# Altium PCB Calipso V3.0 REV0.0.PcbDoc (part 4 of 4)
Units mm, origin at the board's own origin, x right, y up, seen from the top; angles counter-clockwise.
Board outline 192.5 x 156.5 mm, 4 copper layers (Component Side, Ground Plane, Power Plane, Solder Side), stack 0.844 mm thick; 384 components, 292 nets, 1388 pads, 365 vias.
Unrouted connection lines stored in the file: 28.
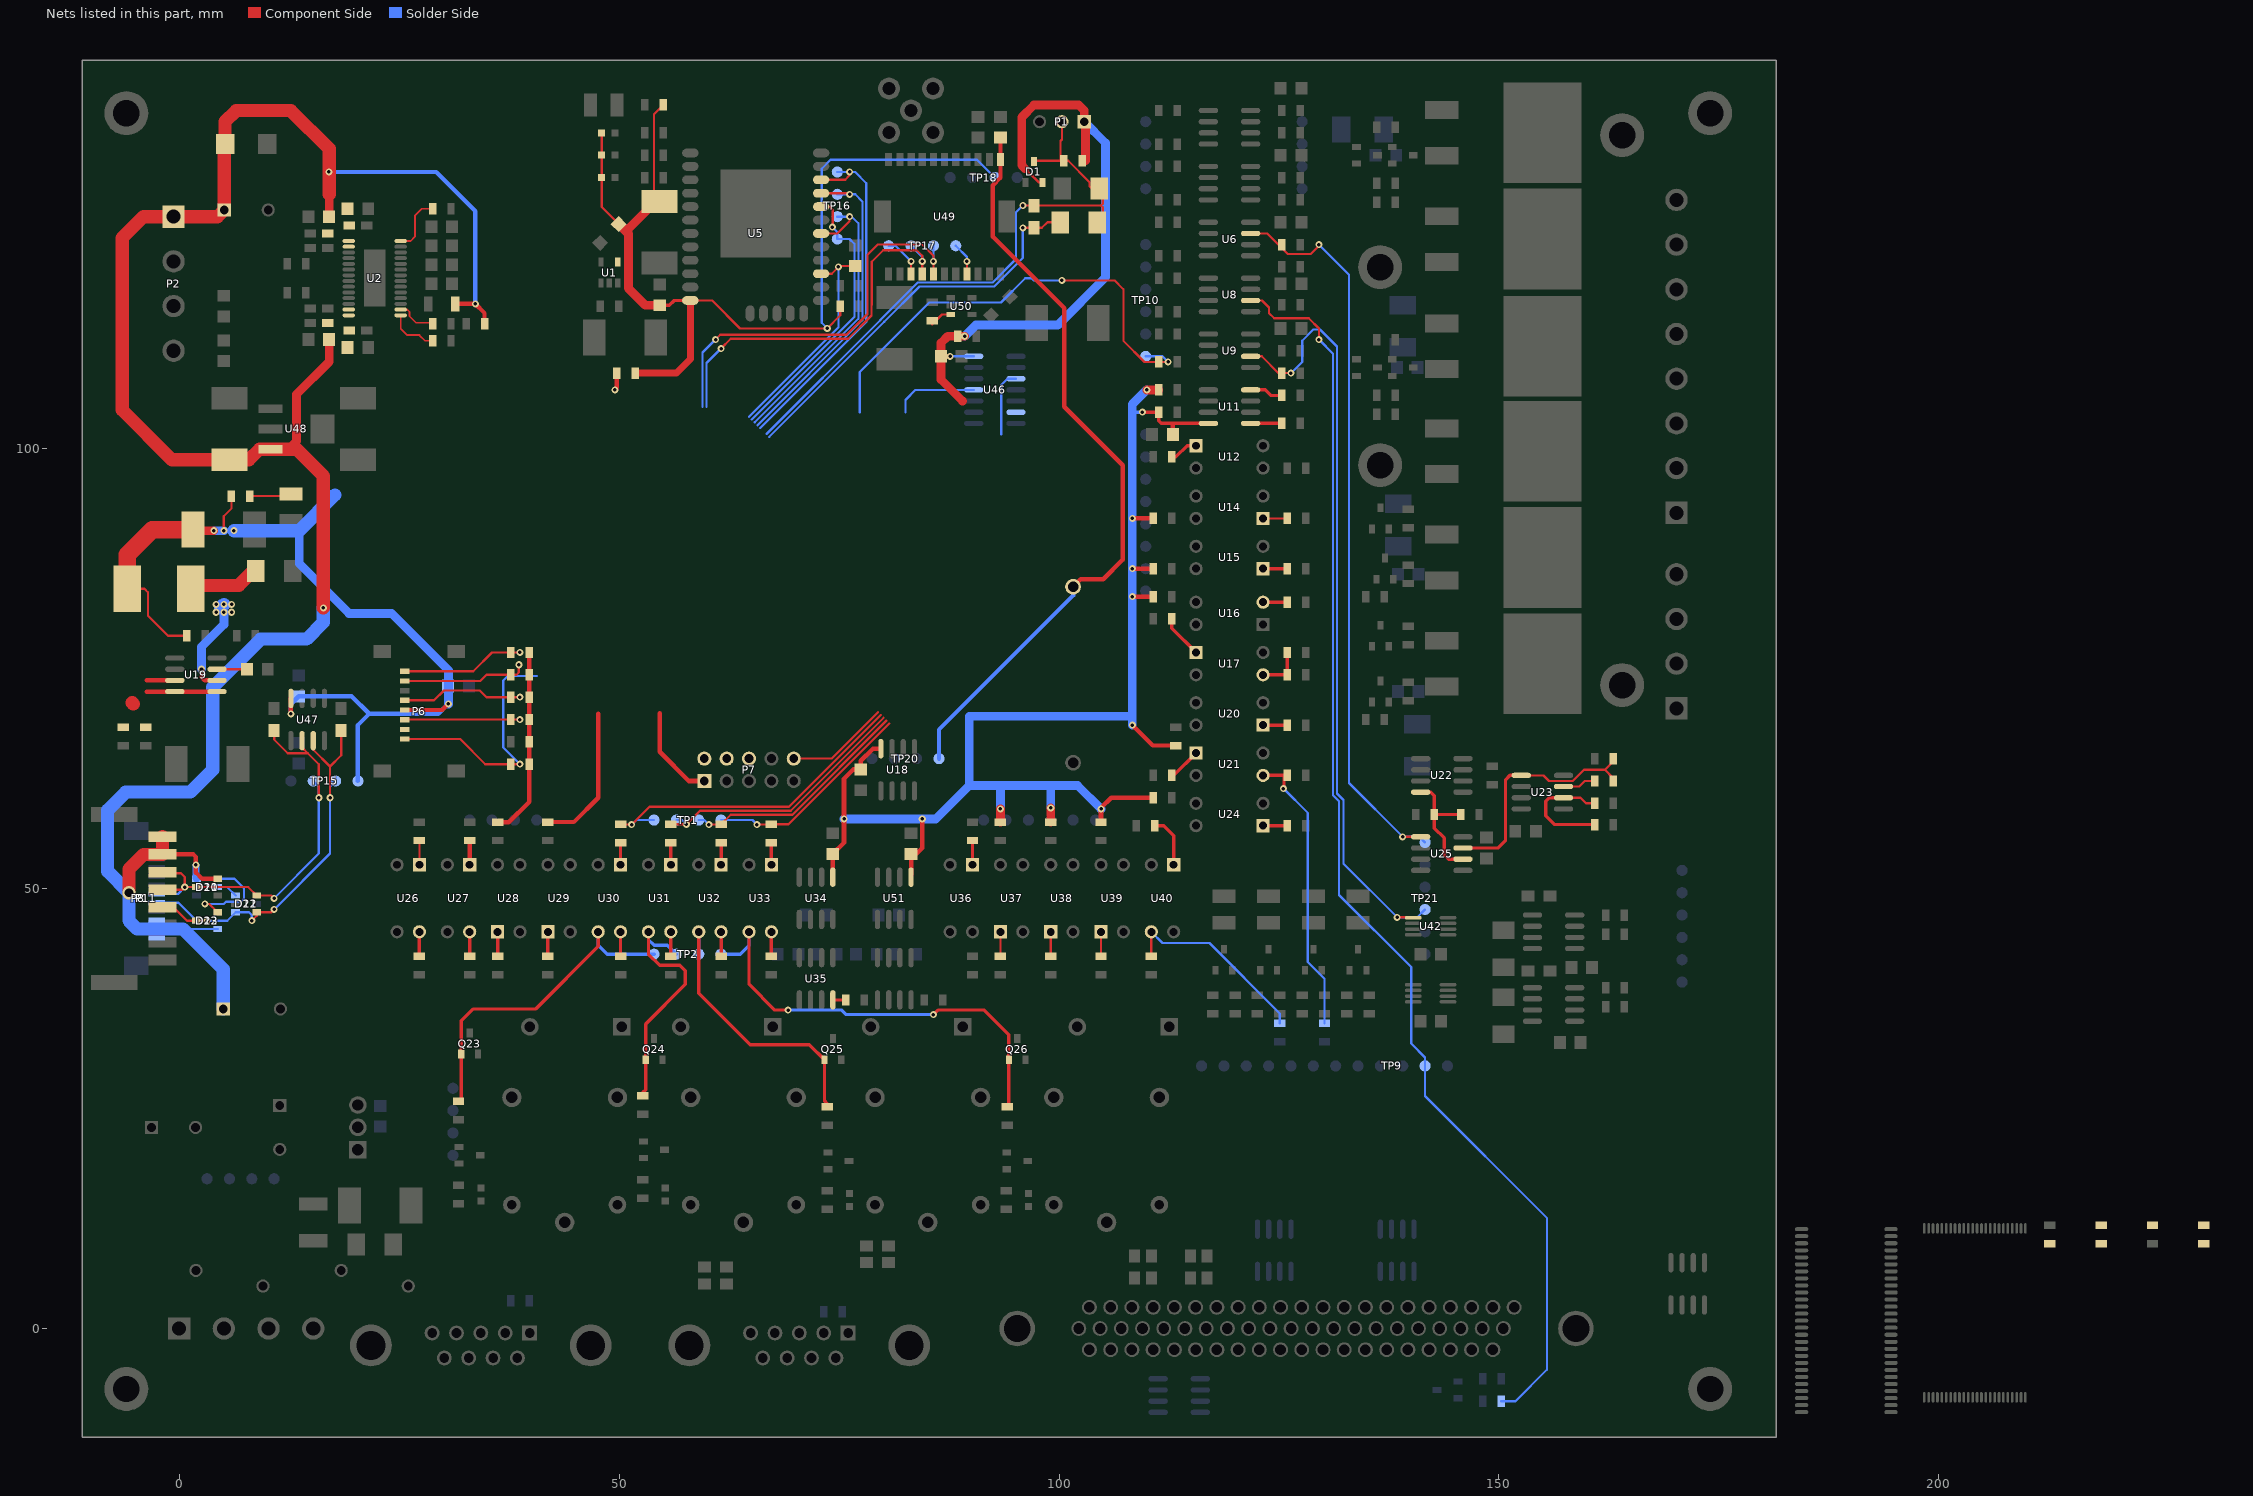
[diagram p6: the nets of this part, all layers, seen from the top]

## Via types
v1: diameter 0.8, hole 0.4, Component Side to Solder Side, tented both sides, 349 vias
v2: diameter 0.8, hole 0.4, Component Side to Solder Side, 12 vias
v3: diameter 1.5, hole 1, Component Side to Solder Side, 2 vias
v4: diameter 3, hole 2, Component Side to Solder Side, 2 vias

## Nets (pads, with @x,y where several pads share a name; then routed paths per layer and width w, separated by ;. In a path a pad name is that pad's centre, name@x,y a point inside that pad or via, vN(x,y) a via of type N, cw(c..) or ccw(c..) an arc to the next point about the centre after c; other vN are vias at no path point) (continued)
NetR33_2: R33.2 U11.4 | length 3.8
  Component Side w0.384: U11.4@121.78,106.68 123.444,106.68 124.079,106.045 R33.2@125.315,106.045
NetR37_1: R37.1 U11.1 | length 3.5
  Component Side w0.384: U11.1@121.78,102.87 R37.1@125.315,102.87
NetR38_2: R38.2 U12.1 | length 3.3
  Component Side w0.384: R38.2@112.81,99.06 113.284,99.06 114.554,100.33 U12.1@115.57,100.33
NetR41_1: "STM PWR 1.2" R41.1 | length 3.8
  Component Side w0.254: R41.1@8.41,94.615 11.835,94.615 12.065,94.845
NetR44_1: R44.1 U14.1 | length 2.4
  Component Side w0.254: U14.1@123.19,92.075 R44.1@125.575,92.075
NetR48_1: R48.1 U15.1 | length 2.4
  Component Side w0.384: U15.1@123.19,86.36 R48.1@125.575,86.36
NetR50_1: R50.1 U35.8 | length 1.5
  Component Side w0.381: U35.8@74.309,37.338 R50.1@75.785,37.338
NetR52_1: R52.1 U16.2 | length 2.8
  Component Side w0.384: U16.2@123.19,82.55 R52.1@125.95,82.55
NetR58_2: R58.2 U17.1 | length 5
  Component Side w0.384: R58.2@112.81,80.645 112.81,79.595 U17.1@115.57,76.835
NetR59_1: R59.1 R61.1 U17.3 | length 5.3
  Component Side w0.381: U17.3@123.19,74.295 R61.1@125.95,74.295 R59.1@125.95,76.835
NetR70_2: R70.2 R71.2 U19.1 U19.7 U19.8 | length 11.4
  Component Side w0.5: -3.683,72.39 -0.895,72.39 U19.1@4.705,72.39 ; -3.683,73.66 U19.7@-0.895,73.66
  Component Side w1.5: -5.334,71.12 -5.207,70.993
NetR73_1: R73.1 U20.1 | length 2.4
  Component Side w0.384: U20.1@123.19,68.58 R73.1@125.575,68.58
NetR75_2: R75.2 U21.1 | length 3.8
  Component Side w0.384: R75.2@112.81,62.865 113.03,62.865 U21.1@115.57,65.405
NetR76_2: R76.2 R82.1 U23.5 U25.7 | length 27.7
  Component Side w0.254: U23.5@152.54,62.865 155.067,62.865 155.702,62.23 155.71,62.238 158.4,62.238 159.662,63.5 162.052,63.5 ; R82.1@162.975,62.23 162.975,62.577 162.052,63.5 ; R76.2@162.975,64.77 162.975,64.423 162.052,63.5
  Component Side w0.384: U25.7@145.91,54.61 149.86,54.61 150.749,55.499 150.749,62.357 151.257,62.865 U23.5@152.54,62.865
NetR81_2: R81.2 R154.1 U21.3 | length 32.6
  Component Side w0.384: U21.3@123.19,62.865 125.575,62.865 125.575,61.369 v1(125.504,61.369)
  Solder Side w0.254: v1(125.504,61.369) 128.27,58.603 128.27,41.656 130.175,39.751 R154.1@130.175,34.705
NetR82_2: R82.2 U23.3 | length 3.8
  Component Side w0.254: U23.3@157.34,61.595 159.131,61.595 159.766,62.23 R82.2@160.875,62.23
NetR84_1: R84.1 R101.1 U23.2 | length 13.6
  Component Side w0.254: U23.2@157.34,60.325 159.258,60.325 159.893,59.69 R84.1@160.875,59.69
  Component Side w0.384: U23.2@157.34,60.325 155.702,60.325 155.321,59.944 155.321,58.293 156.337,57.277 R101.1@160.875,57.277
NetR87_2: R87.2 U26.1 | length 2.8
  Component Side w0.254: U26.1@27.305,52.705 R87.2@27.305,55.465
NetR88_2: R88.2 U27.1 | length 2.8
  Component Side w0.5: U27.1@33.021,52.705 R88.2@33.021,55.465
NetR91_2: R91.2 U30.1 | length 2.5
  Component Side w0.384: U30.1@50.165,52.705 R91.2@50.165,55.21
NetR92_2: R92.2 U31.1 | length 2.5
  Component Side w0.384: U31.1@55.88,52.705 R92.2@55.88,55.21
NetR93_2: R93.2 U32.1 | length 2.5
  Component Side w0.384: U32.1@61.595,52.705 R93.2@61.595,55.21
NetR94_2: R94.2 U33.1 | length 2.5
  Component Side w0.384: U33.1@67.31,52.705 R94.2@67.31,55.21
NetR97_2: R97.2 U36.1 | length 2.8
  Component Side w0.384: U36.1@90.17,52.705 R97.2@90.17,55.465
NetR102_2: R102.2 U40.1 | length 5.9
  Component Side w0.384: R102.2@110.905,57.15 111.887,57.15 113.03,56.007 U40.1@113.03,52.705
NetR103_1: R103.1 U24.1 | length 2.4
  Component Side w0.381: U24.1@123.19,57.15 R103.1@125.575,57.15
NetR106_1: R106.1 U26.4 | length 2.8
  Component Side w0.384: R106.1@27.305,42.325 U26.4@27.305,45.085
NetR107_1: R107.1 U27.4 | length 2.4
  Component Side w0.384: R107.1@33.021,42.7 U27.4@33.021,45.085
NetR108_2: R108.2 U28.1 | length 2.8
  Component Side w0.384: R108.2@36.195,42.325 U28.1@36.195,45.085
NetR109_2: R109.2 U29.1 | length 2.8
  Component Side w0.384: R109.2@41.911,42.325 U29.1@41.911,45.085
NetR110_1: R110.1 U30.4 | length 2.4
  Component Side w0.384: R110.1@50.165,42.7 U30.4@50.165,45.085
NetR111_1: R111.1 U31.4 | length 2.4
  Component Side w0.384: R111.1@55.88,42.7 U31.4@55.88,45.085
NetR112_1: R112.1 U32.4 | length 2.4
  Component Side w0.384: R112.1@61.595,42.7 U32.4@61.595,45.085
NetR113_1: R113.1 U33.4 | length 2.4
  Component Side w0.384: R113.1@67.31,42.7 U33.4@67.31,45.085
NetR117_1: R117.1 U37.1 | length 2.4
  Component Side w0.254: R117.1@93.345,42.7 U37.1@93.345,45.085
NetR118_1: R118.1 U38.1 | length 2.4
  Component Side w0.254: R118.1@99.06,42.7 U38.1@99.06,45.085
NetR119_1: R119.1 U39.1 | length 2.4
  Component Side w0.254: R119.1@104.775,42.7 U39.1@104.775,45.085
NetR120_2: R120.2 R155.1 U40.3 | length 21.9
  Component Side w0.254: R120.2@110.49,42.7 U40.3@110.49,45.085
  Solder Side w0.254: U40.3@110.49,45.085 111.76,43.815 117.094,43.815 125.095,35.814 R155.1@125.095,34.705
NetR141_1: R141.1 U50.3 | length 2.6
  Component Side w0.254: R141.1@85.598,114.145 86.708,115.255 U50.3@87.7,115.255
NetR143_2: R143.2 U2.2 | length 4.6
  Component Side w0.2: U2.2@25.175,115.805 25.927,115.805 26.175,115.557 26.175,115.049 26.924,114.3 28.668,114.3 R143.2@28.795,114.173
NetR144_2: R144.2 U2.1 | length 5.7
  Component Side w0.2: U2.1@25.175,115.155 25.175,113.636 25.908,112.903 27.305,112.903 27.94,112.268 R144.2@28.795,112.268
NetR146_2: R146.2 U2.14 | length 6.5
  Component Side w0.2: U2.14@25.175,123.605 26.323,123.605 26.797,124.079 26.797,126.492 27.559,127.254 R146.2@28.795,127.254
NetR157_1: R157.1 TP9.5 U8.6 | length 145.2
  Component Side w0.254: U8.6@121.78,116.84 123.063,116.84 123.863,116.04 123.863,115.395 124.45,114.808 128.397,114.808 129.54,113.665 v1(129.54,112.395)
  Solder Side w0.254: v1(129.54,112.395) 131.138,110.797 131.138,60.611 131.826,59.923 131.826,49.276 140.027,41.075 140.027,32.385 141.605,30.807 TP9.5@141.605,29.845 141.605,26.416 155.448,12.573 155.448,-4.699 151.892,-8.255 R157.1@150.275,-8.255
NetTP17_1: TP17.1 U49.8 | length 3.7
  Component Side w0.254: U49.8@89.535,119.865 v1(89.535,121.285)
  Solder Side w0.254: TP17.1@88.265,123.063 89.535,121.793 v1(89.535,121.285)
NetTP17_4: TP17.4 U49.3 | length 4.7
  Component Side w0.254: U49.3@83.185,119.865 v1(83.185,121.285)
  Solder Side w0.254: TP17.4@80.645,123.063 81.407,123.063 v1(83.185,121.285)
NRESET: P7.10 | length 11.8
  Component Side w0.254: P7.10@69.85,64.77 74.14,64.77 79.424,70.055
PELTIER: U46.11 | length 9.6
  Solder Side w0.254: 82.55,104.14 82.55,105.537 83.693,106.68 U46.11@90.31,106.68
PVCC: C3.1 C34.1 C64.1 C77.2 C78.2 C79.2 C80.2 C81.2 C82.2 C83.2 C84.2 D2.2 D10.2 D12.2 D21.2 D23.2 P2.1 P8.1 P8.2 P11.1 P11.2 P11.3 R145.1 R147.1 U2.15 U2.16 U2.27 U2.28 U48.3 | length 265.2
  Component Side w0.254: v1(2.93,48.26) 3.42,48.26 D12.2@4.375,47.305
  Component Side w0.5: P8.2@-1.905,53.88 1.619,53.88 1.905,53.594 v1(1.905,52.705) 1.905,51.816 2.606,51.115 D10.2@4.375,51.115 ; R145.1@31.395,116.459 v1(33.655,116.459) 34.705,115.409 R147.1@34.705,114.173
  Component Side w1: D2.2@5.207,134.658 D2.2@5.245,134.62 ; U48.3@10.385,99.935 12.432,99.935 13.335,100.838 13.335,106.172 17.05,109.887 C79.2@17.05,112.395 ; C77.2@17.05,126.365 17.05,128.905
  Component Side w1.5: v3(-5.715,49.53) -5.715,52.197 -4.032,53.88 P8.2@-1.905,53.88 P8.1@-1.905,55.88 ; v1(16.383,81.915) 16.383,96.901 13.349,99.935 U48.3@10.385,99.935 9.13,99.935 7.93,98.735 C64.1@5.715,98.735 -0.818,98.735 -6.477,104.394 -6.477,123.952 -4.064,126.365 P2.1@-0.635,126.365 4.358,126.365 C3.1@5.12,127.127 5.12,134.571 5.207,134.658 5.207,137.16 6.477,138.43 12.7,138.43 17.05,134.08 17.05,128.905
  Solder Side w0.254: 0.452,45.395 0.462,45.405 D23.2@4.375,45.405 ; D21.2@1.975,51.115 6.289,51.115 7.366,50.038 7.366,48.844 7.036,48.514 5.334,48.514 5.08,48.26 v1(2.93,48.26)
  Solder Side w0.5: v1(17.018,131.445) 29.21,131.445 33.655,127 v1(33.655,116.459)
  Solder Side w0.8: v1(1.905,52.705) 1.905,51.185 D21.2@1.975,51.115
  Solder Side w1.5: C34.1@5.005,36.322 5.005,40.842 0.452,45.395 P11.2@-2.54,45.395 -4.755,45.395 -5.715,46.355 v3(-5.715,49.53) -8.128,51.943 -8.128,58.928 -6.096,60.96 1.27,60.96 3.81,63.5 3.81,72.898 9.271,78.359 14.478,78.359 16.383,80.264 v1(16.383,81.915)
RC: C26.2 U19.3 | length 3
  Component Side w0.254: U19.3@4.705,74.93 C26.2@7.715,74.93
REF2.5V: R85.2 R86.1 U22.8 U25.6 | length 13.8
  Component Side w0.384: U22.8@141.11,60.96 142.24,60.96 142.655,60.545 R85.2@142.655,58.42 ; R86.1@145.26,58.42 R85.2@142.655,58.42 ; U25.6@145.91,53.34 144.272,53.34 143.764,53.848 143.764,55.753 142.655,56.862 R85.2@142.655,58.42
RELAY1: R91.1 TP1.1 | length 37.5
  Component Side w0.254: R91.1@50.166,57.311 50.2,57.277 v1(51.436,57.277) 53.468,59.309 69.321,59.309 79.745,69.734
  Solder Side w0.254: v1(51.436,57.277) 51.944,57.785 TP1.1@53.976,57.785
RELAY2: R92.1 TP1.2 | length 30.5
  Component Side w0.254: R92.1@55.881,57.311 v1(57.659,57.311) 59.203,58.855 69.509,58.855 80.066,69.413
  Solder Side w0.254: TP1.2@56.516,57.785 57.185,57.785 v1(57.659,57.311)
RELAY3: R93.1 TP1.3 | length 26.4
  Component Side w0.254: v1(60.199,57.277) 61.562,57.277 R93.1@61.596,57.311 62.686,58.401 69.697,58.401 80.387,69.092
  Solder Side w0.254: TP1.3@59.056,57.785 59.691,57.785 v1(60.199,57.277)
RELAY4: R94.1 TP1.4 | length 24.1
  Component Side w0.254: v1(65.66,57.277) 67.275,57.277 R94.1@67.31,57.312 ; R94.1@67.311,57.311 69.249,57.311 80.709,68.77
  Solder Side w0.254: TP1.4@61.596,57.785 65.152,57.785 v1(65.66,57.277)
RELAY_O1: Q23.1 R132.2 TP2.1 U30.3 | length 38.3
  Component Side w0.384: R132.2@31.75,25.815 32.07,26.135 Q23.1@32.07,31.185 32.07,34.991 33.39,36.311 40.502,36.311 47.625,43.434 U30.3@47.625,45.085
  Solder Side w0.384: U30.3@47.625,45.085 47.625,43.562 48.642,42.545 TP2.1@53.976,42.545
RELAY_O2: Q24.1 R131.2 TP2.2 U31.3 | length 28.1
  Component Side w0.384: R131.2@52.705,26.825 53.025,27.145 Q24.1@53.025,30.55 53.025,34.61 57.531,39.116 57.531,40.64 56.896,41.275 54.61,41.275 53.34,42.545 U31.3@53.34,45.085
  Solder Side w0.384: U31.3@53.34,45.085 53.34,44.208 53.976,43.572 55.489,43.572 TP2.2@56.516,42.545
RELAY_O3: Q25.1 R133.2 TP2.3 U32.3 | length 32.1
  Component Side w0.384: U32.3@59.055,45.085 59.055,38.1 64.897,32.258 71.637,32.258 Q25.1@73.345,30.55 73.345,25.87 R133.2@73.66,25.555
  Solder Side w0.384: TP2.3@59.056,42.545 U32.3@59.055,45.085
RELAY_O4: Q26.1 R134.2 TP2.4 U33.3 | length 51.7
  Component Side w0.384: U33.3@64.77,45.085 64.77,39.117 67.692,36.195 v1(69.215,36.195) ; v1(85.73,35.682) 86.243,36.195 91.506,36.195 94.3,33.401 Q26.1@94.3,30.55 94.3,25.373 R134.2@94.107,25.18
  Solder Side w0.384: TP2.4@61.596,42.545 63.755,42.545 64.77,43.56 U33.3@64.77,45.085 ; v1(69.215,36.195) 75.311,36.195 75.824,35.682 v1(85.73,35.682)
RS232_DWIN_RX: D10.3 D11.2 D21.3 D22.2 J5.0 P8.3 P8.4 P11.6 TP15.2 U47.2 | length 55.4
  Component Side w0.254: P8.4@-1.905,49.88 0.35,49.88 v1(0.635,50.165) ; P8.3@-1.905,51.88 -1.768,51.743 0.2,51.743 0.635,51.308 v1(0.635,50.165) ; v1(10.795,48.895) 10.48,49.21 D11.2@8.82,49.21 7.865,50.165 D10.3@1.975,50.165 v1(0.635,50.165) ; J5.0@10.795,67.965 10.795,66.929 12.336,65.388 14.605,65.388 ; U47.2@13.97,66.815 13.97,66.023 14.605,65.388 ; v1(15.875,60.325) 15.875,64.118 14.605,65.388
  Solder Side w0.254: P11.6@-2.54,49.395 -0.135,49.395 v1(0.635,50.165) D21.3@4.375,50.165 5.465,50.165 D22.2@6.42,49.21 ; v1(10.795,48.895) 15.875,53.975 v1(15.875,60.325) 15.875,61.595 TP15.2@15.24,62.23
RS232_DWIN_TX: D11.1 D12.3 D22.1 D23.3 J4.0 P8.5 P11.5 TP15.3 U47.3 | length 51.2
  Component Side w0.254: P8.5@-1.905,47.88 -0.636,47.88 0.889,46.355 D12.3@1.975,46.355 v1(3.175,46.355) ; v1(8.255,46.355) 8.82,46.92 D11.1@8.82,47.31 10.48,47.31 v1(10.795,47.625) ; U47.3@15.24,66.815 15.24,65.786 17.145,63.881 ; v1(17.145,60.325) 17.145,63.881 ; J4.0@18.415,67.965 18.415,65.151 17.145,63.881
  Solder Side w0.254: P11.5@-2.54,48.395 -0.065,48.395 D23.3@1.975,46.355 v1(3.175,46.355) 5.465,46.355 D22.1@6.42,47.31 7.935,47.31 8.255,46.99 v1(8.255,46.355) ; v1(10.795,47.625) 17.145,53.975 v1(17.145,60.325) 17.145,61.595 TP15.3@17.78,62.23
SDIO_CK: P6.4 R67.1 | length 13.9
  Component Side w0.254: P6.4@25.626,71.392 28.974,71.392 30.099,72.517 34.163,72.517 34.925,71.755 R67.1@37.685,71.755 v1(38.735,71.755)
SDIO_CMD: P6.6 R68.1 | length 13.1
  Component Side w0.254: P6.6@25.626,69.192 25.649,69.215 R68.1@37.685,69.215 v1(38.735,69.215)
SDIO_D0: P6.2 R60.1 | length 14.3
  Component Side w0.254: P6.2@25.626,73.592 34.222,73.592 34.925,74.295 R60.1@37.685,74.295 38.354,74.295 38.608,74.549 v1(38.608,75.438)
SDIO_D1: P6.1 R57.1 | length 14
  Component Side w0.254: P6.1@25.626,74.692 33.417,74.692 35.56,76.835 R57.1@37.685,76.835 v1(38.735,76.835)
SDIO_D2: P6.8 R78.1 | length 28.6
  Component Side w0.254: P6.8@25.626,66.992 31.941,66.992 34.798,64.135 37.31,64.135 v1(38.735,64.135)
  Solder Side w0.254: v1(38.735,64.135) 36.83,66.04 36.83,73.66 37.338,74.168 40.64,74.168
SDIO_D3: C12.2 C13.2 C17.2 C21.1 C22.1 C27.2 C60.1 C72.2 D1.2 GPS1.2 L5.1 P1.1 P6.5 P6.7 P7.1 R11.2 R32.1 R35.2 R41.2 R43.2 R47.2 R54.2 R55.2 R57.2 R60.2 R63.1 R65.1 R66.1 R67.2 R68.2 R72.2 R74.2 R78.2 R83.2 R89.2 R90.2 R98.2 R99.2 R100.2 TP15.4 U11.8 U18.8 U34.1 U46.14 U47.8 U51.1 WIFI1.2 | length 396.1
  Component Side w0.254: L5.1@-5.899,84.074 -3.937,84.074 -3.556,83.693 -3.556,81.026 -1.27,78.74 R55.2@0.48,78.74 ; v1(5.08,90.678) 5.08,92.329 5.935,93.184 R41.2@5.935,94.615 ; U51.1@83.185,51.295 U51.1@83.185,51.562 ; 96.137,131.824 97.715,130.245 D1.2@98.105,130.245
  Component Side w0.384: 47.613,67.425 47.625,67.437 ; v1(109.474,104.14) R35.2@111.345,104.14 111.345,103.158 111.633,102.87 U11.8@116.98,102.87
  Component Side w0.5: v1(12.7,69.85) U47.8@12.7,71.615 ; P6.5@25.626,70.292 29.906,70.292 v1(30.607,70.993) ; R89.2@36.195,57.565 36.229,57.531 37.465,57.531 39.785,59.851 R78.2@39.785,64.135 R74.2@39.785,66.675 R57.2@39.785,76.835 ; R90.2@41.911,57.565 44.865,57.565 47.625,60.325 ; v1(49.53,106.68) 49.75,106.9 WIFI1.2@49.75,108.585 ; U34.1@74.296,51.295 C27.2@74.295,53.943 ; U51.1@83.185,51.562 C72.2@83.185,53.943 83.788,53.943 84.455,54.61 v1(84.455,57.912) ; C17.2@86.582,110.49 v1(87.63,110.49) ; v1(108.331,68.58) 110.651,66.26 R72.2@113.284,66.26 ; v1(108.331,83.185) R54.2@110.335,83.185
  Component Side w0.524: 47.625,60.325 47.625,67.437 47.625,69.85 ; 54.61,69.943 54.61,65.532 57.912,62.23 P7.1@59.69,62.23 ; C27.2@74.295,53.943 75.565,55.213 v1(75.565,57.912) 75.565,62.484 76.613,63.532 C12.2@77.47,63.532 77.47,64.516 78.854,65.9 U18.8@79.756,65.9 ; R100.2@104.775,57.94 v1(104.775,59.055) 104.775,59.182 105.918,60.325 R83.2@110.335,60.325 ; v1(108.331,86.36) R47.2@110.335,86.36 ; v1(108.331,92.075) R43.2@110.335,92.075 ; C21.1@112.935,101.6 112.935,102.838
  Component Side w1: C22.1@1.707,90.678 v1(3.937,90.678) ; C17.2@86.582,110.49 86.582,107.855 89.027,105.41 ; C17.2@86.582,110.776 86.582,112.01 87.348,112.776 v1(89.281,112.776) ; R98.2@93.345,57.565 v1(93.345,59.055) ; 96.137,131.824 95.758,132.202 95.758,137.668 97.155,139.065 102.235,139.065 102.87,138.43 P1.1@102.87,137.16 103.025,137.005 R11.2@103.025,132.715 ; R99.2@99.06,57.565 v1(99.06,59.182) ; v1(109.982,106.68) R32.1@111.345,106.68
  Component Side w2: L5.1@-5.899,84.074 -5.899,87.954 -3.048,90.805 C22.1@1.58,90.805
  Solder Side w0.254: v1(87.63,110.49) U46.14@90.31,110.49
  Solder Side w0.384: 108.331,104.013 108.331,104.14 v1(109.474,104.14)
  Solder Side w0.5: TP15.4@20.32,62.23 20.32,68.58 21.59,69.85
  Solder Side w0.524: v1(12.7,69.85) 12.7,70.961 C13.2@13.589,71.85 19.59,71.85 21.59,69.85 29.464,69.85 v1(30.607,70.993)
  Solder Side w1: v1(3.937,90.678) v1(5.08,90.678) ; 13.642,90.678 13.642,86.942 19.304,81.28 24.13,81.28 30.607,74.803 v1(30.607,70.993) ; v1(75.565,57.912) v1(84.455,57.912) 85.979,57.912 89.789,61.722 ; v1(89.281,112.776) 90.551,114.046 99.854,114.046 105.283,119.475 105.283,134.747 P1.1@102.87,137.16 ; v1(93.345,59.055) 93.345,61.595 93.472,61.722 ; v1(99.06,59.182) 99.06,61.468 99.314,61.722 ; v1(104.775,59.055) 102.108,61.722 99.314,61.722 ; v1(108.331,68.58) 108.331,69.596 ; 108.331,104.013 v1(108.331,92.075) v1(108.331,86.36) v1(108.331,83.185) 108.331,69.596 ; 108.331,104.14 108.331,105.029 v1(109.982,106.68) ; 89.789,61.722 89.789,69.596 108.331,69.596 ; 89.789,61.722 93.472,61.722 ; 93.472,61.722 99.314,61.722
  Solder Side w1.5: v1(6.223,90.678) 13.642,90.678 17.706,94.742
SPI2_MISO: U46.6
SPI2_MOSI: U46.3 | length 7.6
  Solder Side w0.254: 93.429,101.6 93.429,107.243 94.135,107.95 U46.3@95.11,107.95
SPI_MOSI: R20.1 TP21.1 U6.7 U25.1 | length 85.4
  Component Side w0.254: U6.7@121.78,124.46 123.67,124.46 126.01,122.12 128.607,122.12 129.54,123.053 v1(129.54,123.19) ; v1(139.065,55.88) U25.1@141.11,55.88
  Solder Side w0.254: v1(129.54,123.19) 132.954,119.776 132.954,61.991 v1(139.065,55.88) 140.97,55.88 TP21.1@141.605,55.245
SW: D9.2 L5.2 U19.2 | length 18.7
  Component Side w0.5: v1(2.54,74.93) 2.54,74.041 2.921,73.66 U19.2@4.305,73.66
  Component Side w1.5: L5.2@1.27,84.455 6.769,84.455 D9.2@8.42,86.106
  Solder Side w1: v1(2.54,74.93) 2.54,77.47 5.08,80.01 v1(5.08,81.407)
  Solder Side w1.5: 4.699,81.915 v1(5.08,82.296)
  other v1: 4.191,81.407 5.969,81.407 4.191,82.296 5.969,82.296
SWCLK: P7.4 R64.2
SWDIO: P7.2 R63.2
SWO: P7.6 R65.2
USART2_RX: TP17.3 U49.4 | length 43
  Component Side w0.254: v1(61.595,111.379) 62.7,112.484 76.042,112.484 78.686,115.128 78.686,116.312 78.706,116.332 78.706,121.251 80.01,122.555 83.82,122.555 84.455,121.92 v1(84.455,121.285) U49.4@84.455,119.865
  Solder Side w0.254: 59.944,104.775 59.944,109.728 v1(61.595,111.379) ; TP17.3@83.185,123.063 84.455,121.793 v1(84.455,121.285)
USART2_TX: TP17.2 U49.5 | length 45.8
  Component Side w0.254: v1(60.96,112.395) 61.503,112.938 75.854,112.938 78.232,115.316 78.232,122.047 79.375,123.19 84.455,123.19 85.725,121.92 v1(85.725,121.285) U49.5@85.725,119.865
  Solder Side w0.254: 59.49,104.775 59.49,110.925 v1(60.96,112.395) ; v1(85.725,121.285) TP17.2@85.725,123.063
USART3_CTS: TP16.4 U5.10 | length 40.5
  Component Side w0.254: U5.10@72.967,130.556 75.692,130.556 76.2,131.064 v1(76.2,131.445)
  Solder Side w0.254: 66.054,102.348 78.105,114.399 78.105,130.175 76.835,131.445 v1(76.2,131.445) TP16.4@74.803,131.445
USART3_RTS: TP16.3 U5.9 | length 36.8
  Component Side w0.254: U5.9@72.967,129.032 76.073,129.032 v1(76.2,128.905)
  Solder Side w0.254: 65.733,102.669 77.651,114.587 77.651,128.089 76.835,128.905 v1(76.2,128.905) TP16.3@74.803,128.905
USART3_RX: TP16.2 U5.6 | length 34.5
  Component Side w0.254: U5.6@72.967,124.46 74.803,124.46 76.2,125.857 v1(76.2,126.365)
  Solder Side w0.254: 65.412,102.99 77.197,114.775 77.197,125.622 76.454,126.365 v1(76.2,126.365) TP16.2@74.803,126.365
USART3_TX: TP16.1 U5.8 | length 32
  Component Side w0.254: U5.8@72.967,127.508 73.914,127.508 74.295,127.127 74.295,125.222 74.269,125.222 v1(74.234,125.187)
  Solder Side w0.254: 65.091,103.311 76.743,114.963 76.743,123.282 76.2,123.825 TP16.1@74.803,123.825 74.803,124.618 v1(74.234,125.187)
USART6_RX: D1.3 D4.1 D6.1 J18.1 P1.2 R11.1 | length 69.8
  Component Side w0.254: v1(95.885,127.635) 97.135,127.635 J18.1@97.155,127.615 97.175,127.635 104.775,127.635 ; D1.3@97.155,132.645 97.225,132.715 R11.1@100.175,132.715 ; P1.2@100.33,137.16 100.33,135.128 100.175,134.973 R11.1@100.175,132.715 ; D6.1@104.97,125.73 104.97,127.44 104.775,127.635 ; R11.1@100.175,132.715 101.046,132.715 103.451,130.31 103.451,129.848 103.759,129.54 104.97,129.54 104.97,127.83 104.775,127.635
  Solder Side w0.254: 66.742,101.66 79.686,114.604 79.686,114.625 83.952,118.891 92.454,118.891 95.123,121.56 95.123,126.873 v1(95.885,127.635)
USART6_TX: D6.2 J18.0 | length 45.8
  Component Side w0.254: v1(95.885,125.095) 95.905,125.115 J18.0@97.155,125.115 97.175,125.095 98.044,125.095 98.679,125.73 D6.2@100.135,125.73 D6.2@100.77,125.73
  Solder Side w0.254: 67.063,101.339 80.14,114.416 80.14,114.437 84.14,118.437 92.642,118.437 95.885,121.68 v1(95.885,125.095)
VBAT: C69.2 P12.2 TP20.4 U49.12 | length 87.2
  Component Side w0.5: C69.2@93.345,135.35 U49.12@93.345,132.865 93.345,130.81 92.456,129.921 92.456,124.104 100.584,115.976 100.584,104.775 107.257,98.102 107.257,87.391 105.014,85.148 102.453,85.148 P12.2@101.6,84.295
  Solder Side w0.5: TP20.4@86.36,64.77 86.36,68.072 101.6,83.312 P12.2@101.6,84.295
VM_CSN: R30.1 TP10.6 | length 53.8
  Component Side w0.254: v1(100.33,119.126) 106.299,119.126 107.315,118.11 107.315,112.268 109.728,109.855 R30.1@110.97,109.855 ; R30.1@111.345,109.855 v1(112.395,109.855)
  Solder Side w0.254: 77.343,104.14 77.343,108.708 85.256,116.621 93.394,116.621 96.153,119.38 96.854,119.38 97.108,119.126 v1(100.33,119.126) ; TP10.6@109.855,110.49 111.76,110.49 v1(112.395,109.855)
VMON_NCS: R31.1 TP21.4 U9.6 U42.5 | length 88
  Component Side w0.254: U9.6@121.78,110.49 123.035,110.49 124.94,108.585 v1(126.365,108.585) ; v1(138.43,46.736) 140.224,46.736 U42.5@140.265,46.695
  Solder Side w0.254: v1(126.365,108.585) 127.635,109.855 127.635,112.268 128.905,113.538 129.667,113.538 131.592,111.613 131.592,60.799 132.334,60.057 132.334,52.832 v1(138.43,46.736) 140.716,46.736 TP21.4@141.605,47.625
WIFI3V3: C5.1 C6.1 L1.1 LINK1.2 PWR1.2 R9.1 R28.2 RUN1.2 TP18.3 U1.4 U5.24 WIFI1.1 | length 117.1
  Component Side w0.254: RUN1.2@48.018,135.89 PWR1.2@48.018,133.35 LINK1.2@48.018,130.81 48.018,127.458 L1.1@49.956,125.521 ; C5.1@53.975,128.905 53.975,138.015 R9.1@55.025,139.065 ; U5.24@58.155,116.84 60.579,116.84 63.754,113.665 v1(73.66,113.665) 75.15,115.155 75.15,115.985 74.93,116.205 R28.2@75.15,116.205
  Component Side w0.384: C6.1@54.61,116.3 55.721,116.3 56.261,116.84 U5.24@58.097,116.84 U5.24@58.155,116.84
  Component Side w0.8: WIFI1.1@51.85,108.585 56.515,108.585 58.132,110.202 58.132,116.817 U5.24@58.155,116.84
  Component Side w1: C6.1@54.61,116.3 52.991,116.3 51.054,118.237 51.054,124.422 L1.1@49.956,125.521 50.511,124.965 51.054,124.965 54.176,128.087 C5.1@54.61,128.087
  Solder Side w0.254: v1(73.66,113.665) 73.025,114.3 73.025,131.826 74.041,132.842 90.678,132.842 TP18.3@92.71,130.81
WIFI_RST: C16.1 U5.3 | length 25.4
  Component Side w0.254: U5.3@72.967,119.888 74.168,119.888 75.025,120.745 C16.1@76.835,120.745
  Solder Side w0.254: 64.77,103.632 74.93,113.792 v1(74.93,120.65)
pads on no net: J8.1 J8.6 J8.8 J9.5 J9.6 J9.8 P4.63 P4.64 P6.0 P7.7 P11.4 P11.7 P11.11 P11.12 R74.1 TP9.6 TP18.4 U5.1 U5.4 U5.7 U5.11 U5.12 U5.13 U5.16 U5.17 U5.18 U5.19 U5.20 U5.21 U5.22 U5.26 U5.27 U5.28 U5.29 U5.30 U7.5 U7.8 U22.4 U22.5 U25.4 U35.5 U41.1 U41.5 U41.8 U44.1 U44.5 U44.8 U49.1 U49.2 U49.7 U49.9 U49.10 U49.11 U49.14 U49.15 U49.16 U49.19 U49.23 U49.24 U52.5 U54.5 U54.8 U55.1 U55.2 U55.3 U55.4 U55.5 U55.6 U55.7 U55.8 U55.9 U55.10 U55.11 U55.12 U55.13 U55.14 U55.15 U55.16 U55.17 U55.18 U55.19 U55.20 U55.21 U55.22 U55.23 U55.24 U55.25 U55.26 U55.27 U55.28 U55.29 U55.30 U55.31 U55.32 U55.33 U55.34 U55.35 U55.36 U55.37 U55.38 U55.39 U55.40 U55.41 U55.42 U55.43 U55.44 U55.45 U55.46 U55.47 U55.48 U56.1 U56.2 U56.3 U56.4 U56.5 U56.6 U56.7 U56.8 U56.9 U56.10 U56.11 U56.12 U56.13 U56.14 U56.15 U56.16 U56.17 U56.18 U56.19 U56.20 U56.21 U56.22 U56.23 U56.24 U56.25 U56.26 U56.27 U56.28 U56.29 U56.30 U56.31 U56.32 U56.33 U56.34 U56.35 U56.36 U56.37 U56.38 U56.39 U56.40 U56.41 U56.42 U56.43 U56.44 U56.45 U56.46 U56.47 U56.48 U56.49 U56.50 U56.51 U56.52 U56.53 U56.54
copper on no net: | length 81.3
  Component Side w0.254: 25.626,68.092 32.941,68.092 34.29,66.743 37.242,66.743 37.31,66.675 v1(38.735,66.675) ; 43.18,65.659 43.209,65.63 44,65.63 44,64.839 44.196,64.643 44.863,64.643 45.066,64.44 45.066,64.281 45.65,63.697 46.289,63.697 ; 44.389,63.697 45.085,63.001 45.085,62.01 ; 45.339,66.097 46.355,67.113 46.355,68.338 ; 48.834,63.697 50.165,62.366 50.165,62.01 ; 48.895,68.338 48.895,66.986 49.784,66.097 ; 100.965,89.635 102.77,89.635 103.505,88.9 104.68,88.9 104.775,88.995 ; 100.965,94.515 102.24,95.79 104.775,95.79 ; 104.775,91.345 104.775,93.44 ; 137.475,77.54 135.373,75.438 135.373,73.292 137.475,71.19 139.475,71.19 139.7,70.965 ; 137.475,90.875 136.144,89.544 136.144,86.999 137.983,85.16 138.84,85.16 139.7,84.3
  Component Side w0.5: 89.284,66.155 89.284,67.933
  Component Side w0.8: v1(43.18,62.23) 43.18,65.659 43.18,68.58
  Solder Side w0.254: v1(38.735,66.675) 37.465,67.945 37.465,72.39 38.104,73.029 40.64,73.029
  Solder Side w0.8: v1(37.465,62.23) v1(43.18,62.23)

## Polygon pours and split planes (outlines as drawn)
no net on Top Overlay "Top Overlay-No Net" (solid): 24.13,95.25 35.043,95.25 32.485,99.681 31.492,101.398 29.587,104.703
no net on Top Overlay "Bottom Overlay-No Net" (solid): 174.746,10.846 174.78,10.887 174.806,10.935 174.823,10.988 174.828,11.044 174.828,11.466 174.822,11.522 174.805,11.575 174.779,11.623 174.744,11.664 174.702,11.699 174.654,11.725 174.602,11.742 174.547,11.748 174.125,11.748 174.069,11.742 174.016,11.725 173.968,11.699 173.927,11.665 173.892,11.623 173.866,11.575 173.85,11.523 173.844,11.466 173.844,11.044 173.85,10.988 173.866,10.935 173.892,10.887 173.926,10.845 173.968,10.811 174.016,10.785 174.068,10.769 174.125,10.763 174.547,10.763 174.604,10.769 174.656,10.785 174.704,10.811
no net on Top Overlay "Bottom Overlay-No Net" (solid): 172.524,10.846 172.558,10.887 172.584,10.935 172.601,10.988 172.607,11.044 172.607,11.466 172.601,11.522 172.584,11.575 172.557,11.623 172.522,11.664 172.48,11.699 172.432,11.725 172.38,11.742 172.325,11.748 171.904,11.748 171.847,11.742 171.794,11.725 171.747,11.699 171.705,11.665 171.671,11.623 171.645,11.575 171.628,11.523 171.622,11.466 171.622,11.044 171.628,10.988 171.644,10.935 171.67,10.887 171.704,10.845 171.746,10.811 171.794,10.785 171.847,10.769 171.904,10.763 172.325,10.763 172.382,10.769 172.435,10.785 172.482,10.811
no net on Top Overlay "Bottom Overlay-No Net" (solid): 165.227,10.848 165.261,10.89 165.287,10.938 165.303,10.99 165.309,11.044 165.309,11.115 165.301,11.172 165.284,11.225 165.257,11.272 165.223,11.314 165.181,11.348 165.134,11.374 165.082,11.39 165.027,11.396 164.465,11.396 164.465,11.748 164.324,11.748 164.324,10.763 165.027,10.763 165.085,10.769 165.138,10.786 165.186,10.813
no net on Top Overlay "Bottom Overlay-No Net" (solid): 163.005,11.129 163.039,11.171 163.065,11.219 163.081,11.271 163.087,11.326 163.087,11.466 163.08,11.523 163.062,11.576 163.036,11.624 163.001,11.665 162.96,11.7 162.912,11.726 162.861,11.742 162.806,11.748 162.102,11.748 162.102,10.763 162.243,10.763 162.243,11.044 162.806,11.044 162.863,11.05 162.916,11.067 162.964,11.094
no net on Top Overlay "Bottom Overlay-No Net" (solid): 159.782,10.763 159.642,10.763 159.642,11.044 158.939,11.044 158.939,10.763 158.798,10.763 158.798,11.466 158.804,11.521 158.82,11.573 158.845,11.621 158.88,11.663 158.921,11.698 158.969,11.725 159.022,11.742 159.079,11.748 159.501,11.748 159.556,11.742 159.608,11.726 159.655,11.7 159.696,11.665 159.731,11.624 159.758,11.576 159.775,11.523 159.782,11.466
no net on Top Overlay "Bottom Overlay-No Net" (solid): 143.857,11.219 143.873,11.271 143.878,11.326 143.878,11.466 143.871,11.523 143.854,11.576 143.827,11.624 143.793,11.665 143.751,11.7 143.704,11.726 143.652,11.742 143.597,11.748 142.894,11.748 142.894,10.763 143.035,10.763 143.035,11.044 143.597,11.044 143.654,11.05 143.708,11.067 143.755,11.094 143.797,11.129 143.831,11.171
no net on Top Overlay "Bottom Overlay-No Net" (solid): 145.441,10.846 145.475,10.887 145.501,10.935 145.518,10.988 145.524,11.044 145.524,11.466 145.518,11.522 145.501,11.575 145.474,11.623 145.439,11.664 145.397,11.699 145.349,11.725 145.297,11.742 145.242,11.748 144.821,11.748 144.764,11.742 144.711,11.725 144.664,11.699 144.622,11.665 144.587,11.623 144.561,11.575 144.545,11.523 144.539,11.466 144.539,11.044 144.545,10.988 144.561,10.935 144.587,10.887 144.621,10.845 144.663,10.811 144.711,10.785 144.764,10.769 144.821,10.763 145.242,10.763 145.299,10.769 145.352,10.785 145.399,10.811
no net on Top Overlay "Bottom Overlay-No Net" (solid): 156.894,14.277 157.119,14.69 157.261,15.146 157.311,15.635 157.311,19.284 157.259,19.769 157.112,20.224 156.881,20.637 156.578,20.998 156.215,21.297 155.802,21.523 155.353,21.667 154.878,21.717 151.229,21.717 150.74,21.667 150.284,21.525 149.871,21.3 149.511,21.002 149.213,20.642 148.988,20.229 148.846,19.773 148.796,19.284 148.796,15.635 148.845,15.143 148.986,14.685 149.21,14.272 149.506,13.912 149.866,13.616 150.279,13.392 150.737,13.251 151.229,13.202 154.878,13.202 155.367,13.252 155.823,13.394 156.236,13.619 156.596,13.917
no net on Top Overlay "Top Overlay-No Net" (solid): 359 vertices, not listed, extent 131.431,25.541 137.809,31.756
no net on Mechanical 13 "Bottom Overlay-No Net" (solid): 174.746,10.846 174.78,10.887 174.806,10.935 174.823,10.988 174.828,11.044 174.828,11.466 174.822,11.522 174.805,11.575 174.779,11.623 174.744,11.664 174.702,11.699 174.654,11.725 174.602,11.742 174.547,11.748 174.125,11.748 174.069,11.742 174.016,11.725 173.968,11.699 173.927,11.665 173.892,11.623 173.866,11.575 173.85,11.523 173.844,11.466 173.844,11.044 173.85,10.988 173.866,10.935 173.892,10.887 173.926,10.845 173.968,10.811 174.016,10.785 174.068,10.769 174.125,10.763 174.547,10.763 174.604,10.769 174.656,10.785 174.704,10.811
no net on Mechanical 13 "Bottom Overlay-No Net" (solid): 172.524,10.846 172.558,10.887 172.584,10.935 172.601,10.988 172.607,11.044 172.607,11.466 172.601,11.522 172.584,11.575 172.557,11.623 172.522,11.664 172.48,11.699 172.432,11.725 172.38,11.742 172.325,11.748 171.904,11.748 171.847,11.742 171.794,11.725 171.747,11.699 171.705,11.665 171.671,11.623 171.645,11.575 171.628,11.523 171.622,11.466 171.622,11.044 171.628,10.988 171.644,10.935 171.67,10.887 171.704,10.845 171.746,10.811 171.794,10.785 171.847,10.769 171.904,10.763 172.325,10.763 172.382,10.769 172.435,10.785 172.482,10.811
no net on Mechanical 13 "Bottom Overlay-No Net" (solid): 165.227,10.848 165.261,10.89 165.287,10.938 165.303,10.99 165.309,11.044 165.309,11.115 165.301,11.172 165.284,11.225 165.257,11.272 165.223,11.314 165.181,11.348 165.134,11.374 165.082,11.39 165.027,11.396 164.465,11.396 164.465,11.748 164.324,11.748 164.324,10.763 165.027,10.763 165.085,10.769 165.138,10.786 165.186,10.813
no net on Mechanical 13 "Bottom Overlay-No Net" (solid): 163.005,11.129 163.039,11.171 163.065,11.219 163.081,11.271 163.087,11.326 163.087,11.466 163.08,11.523 163.062,11.576 163.036,11.624 163.001,11.665 162.96,11.7 162.912,11.726 162.861,11.742 162.806,11.748 162.102,11.748 162.102,10.763 162.243,10.763 162.243,11.044 162.806,11.044 162.863,11.05 162.916,11.067 162.964,11.094
no net on Mechanical 13 "Bottom Overlay-No Net" (solid): 159.782,10.763 159.642,10.763 159.642,11.044 158.939,11.044 158.939,10.763 158.798,10.763 158.798,11.466 158.804,11.521 158.82,11.573 158.845,11.621 158.88,11.663 158.921,11.698 158.969,11.725 159.022,11.742 159.079,11.748 159.501,11.748 159.556,11.742 159.608,11.726 159.655,11.7 159.696,11.665 159.731,11.624 159.758,11.576 159.775,11.523 159.782,11.466
no net on Mechanical 13 "Bottom Overlay-No Net" (solid): 143.857,11.219 143.873,11.271 143.878,11.326 143.878,11.466 143.871,11.523 143.854,11.576 143.827,11.624 143.793,11.665 143.751,11.7 143.704,11.726 143.652,11.742 143.597,11.748 142.894,11.748 142.894,10.763 143.035,10.763 143.035,11.044 143.597,11.044 143.654,11.05 143.708,11.067 143.755,11.094 143.797,11.129 143.831,11.171
no net on Mechanical 13 "Bottom Overlay-No Net" (solid): 145.441,10.846 145.475,10.887 145.501,10.935 145.518,10.988 145.524,11.044 145.524,11.466 145.518,11.522 145.501,11.575 145.474,11.623 145.439,11.664 145.397,11.699 145.349,11.725 145.297,11.742 145.242,11.748 144.821,11.748 144.764,11.742 144.711,11.725 144.664,11.699 144.622,11.665 144.587,11.623 144.561,11.575 144.545,11.523 144.539,11.466 144.539,11.044 144.545,10.988 144.561,10.935 144.587,10.887 144.621,10.845 144.663,10.811 144.711,10.785 144.764,10.769 144.821,10.763 145.242,10.763 145.299,10.769 145.352,10.785 145.399,10.811
no net on Mechanical 13 "Bottom Overlay-No Net" (solid): 156.894,14.277 157.119,14.69 157.261,15.146 157.311,15.635 157.311,19.284 157.259,19.769 157.112,20.224 156.881,20.637 156.578,20.998 156.215,21.297 155.802,21.523 155.353,21.667 154.878,21.717 151.229,21.717 150.74,21.667 150.284,21.525 149.871,21.3 149.511,21.002 149.213,20.642 148.988,20.229 148.846,19.773 148.796,19.284 148.796,15.635 148.845,15.143 148.986,14.685 149.21,14.272 149.506,13.912 149.866,13.616 150.279,13.392 150.737,13.251 151.229,13.202 154.878,13.202 155.367,13.252 155.823,13.394 156.236,13.619 156.596,13.917
no net on Mechanical 13 "Top Overlay-No Net" (solid): 359 vertices, not listed, extent 131.431,25.541 137.809,31.756
no net on Ground Plane (split plane): 180.99,-11.86 -10.49,-11.86 -10.49,143.62 180.99,143.62
no net on Power Plane (split plane): 180.99,-11.86 -10.49,-11.86 -10.49,143.62 180.99,143.62

## Other copper
Component Side:
  rectangle net PVCC: 17.907,114.554 19.275,115.951
  rectangle net PVCC: 16.637,111.887 19.685,114.554
  rectangle net PVCC: 17.907,122.809 19.275,124.079
  rectangle net PVCC: 16.637,124.079 19.685,126.873
  rectangle net NetC9_2: 15.367,120.523 16.891,121.793
  rectangle net NetC18_2: 15.367,116.967 16.891,118.237
  rectangle net NetC18_2: 14.351,115.697 15.367,118.237
  rectangle net NetC9_2: 14.351,120.523 15.367,123.063
  rectangle net NetP3_7: 161,118.13 167,130.63
  rectangle net NetP3_7: 153,118.13 161,141.63
  region net AGND: 70.104,121.285 70.104,132.207 61.214,132.207 61.214,121.285
  rectangle net AGND: 101.854,128.905 103.124,130.175
  rectangle net AGND: 0,52.07 1.27,53.34
  rectangle net AGND: 55.88,59.69 57.15,60.96
  rectangle: 42.545,61.595 43.815,62.865
  rectangle: 36.83,61.595 38.1,62.865
  rectangle net AGND: 29.846,56.515 31.116,57.785
  rectangle net AGND: 8.89,64.135 10.922,66.167
  rectangle net AGND: 12.065,79.375 13.335,80.645
  rectangle net AGND: 8.89,43.18 11.43,44.45
  region net WIFI3V3: 50.673,120.777 50.673,121.666 50.038,121.666 50.038,120.777
  region net NetL1_2: 48.26,120.777 48.26,121.666 47.117,121.666 47.117,120.777
  rectangle net NetP3_5: 155.575,93.98 167.005,117.348
  rectangle net 5V: -6.985,62.23 -0.381,66.167
  rectangle net NetR70_2: -6.858,68.072 -3.302,74.549
  rectangle net SW: 3.683,80.772 6.477,84.455
  rectangle net SDIO_D3: 3.175,89.916 6.985,91.44
  rectangle net AGND: 18.161,53.975 20.32,56.134
  pour cut-out: 26.416,66.421 35.306,66.421 35.306,75.629 26.416,75.629
Solder Side:
  region net AGND: 69.596,122.047 69.596,131.953 61.214,131.953 61.214,122.047
  rectangle net PVCC: -3.175,44.45 -1.905,46.355
  rectangle net AGND: 101.854,128.905 103.124,130.175
  rectangle net AGND: 0,52.07 1.27,53.34
  rectangle net AGND: 31.75,70.485 33.02,71.755
  rectangle net AGND: 55.88,59.69 57.15,60.96
  rectangle: 42.545,61.595 43.815,62.865
  rectangle: 36.83,61.595 38.1,62.865
  rectangle net AGND: 29.846,56.515 31.116,57.785
  rectangle net AGND: 8.89,64.135 10.922,66.167
  rectangle net AGND: 18.161,53.975 20.32,56.134
  rectangle net AGND: 8.89,43.18 11.43,44.45
  rectangle net SW: 3.683,80.772 6.477,83.058
  rectangle net SDIO_D3: 3.175,89.916 6.985,91.44
  rectangle net AGND: 12.065,79.375 13.335,80.645
  rectangle net AGND: 20.447,115.57 24.003,123.825

## Silkscreen, mask and mechanical layers (free items; w line width, h text height)
Top Overlay:
  drawing of 2098 lines, arcs and shapes, not listed
  text "Class-D  / Audio Amplifier" at 13.843,133.731 h1.52
  text "GND" at 159.893,127.508 h1.52
  text "PWM3-" at 159.893,122.428 h1.52
  text "PWM2+" at 159.893,117.348 h1.52
  text "PWM2-" at 159.893,112.395 h1.52
  text "PWM1+" at 159.893,106.934 h1.52
  text "PWM1-" at 159.893,102.235 h1.52
  text "V2" at 161.036,97.282 h1.52
  text "V1" at 161.417,92.075 h1.52
  text "GND" at 160.401,83.82 h1.52
  text "PWM-" at 160,79.63 h1.52
  text "PWM+" at 160,76.13 h1.52
  text "V3" at 161.5,68.63 h1.52
  text "OT" at 117.729,52.07 h1.25
  text "OV" at 122.936,52.07 h1.25
  text "FLT" at 127.254,52.07 h1.25
  text "HV" at 133.096,52.07 h1.25
  text "Calipso Board V2.0 REV3.0" at 139.065,27.94 h1.52
  text "https://github.com/fxslava/Laser-LED-STM-Board-Project" at 138.938,26.289 h0.7
Mechanical 2:
  lines w0.1: 0,143.51 48.768,143.51 53.975,143.51 54.61,142.875 56.515,140.97 56.515,137.033 57.658,135.89 73.66,135.89 75.565,137.795 75.565,142.24 76.835,143.51 116.84,143.51
  lines w0.127: 0,143.51 0,136.525 -3.81,132.715 -10.795,132.715 -10.795,-10.16 8.89,-10.16 ; 13.97,36.83 13.97,44.45 20.955,51.435 113.665,51.435 116.84,54.61 116.84,99.695 116.84,143.51
  lines w0.254: 8.89,-10.16 8.89,1.905 5.715,5.08 5.715,20.32 5.08,20.955 5.08,24.511 5.08,27.94 13.97,36.83
Mechanical 3:
  lines w0.127: 20.955,65.405 20.955,74.93 29.845,74.93 29.845,65.405 20.955,65.405
Mechanical 4:
  the board outline again, w0.254
Mechanical 5:
  lines w0.127: 20.955,46.355 114.935,46.355 121.92,53.34 121.92,143.51 147.32,143.51 147.32,71.755 151.13,67.945 178.435,67.945 179.07,67.31 179.07,12.7
  lines w0.254: 20.955,46.355 17.145,42.545 17.145,17.145 17.145,5.08 19.05,3.175 19.05,-6.985 21.59,-9.525 170.815,-9.525 170.815,-5.08 173.355,-2.54 179.07,-2.54 179.07,12.7
Mechanical 13:
  drawing of 1414 lines, arcs and shapes, not listed
  text "P1" at 82.296,140.462 h1.52
  text "Calipso Board V2.0 REV3.0" at 139.065,27.94 h1.52
  text "https://github.com/fxslava/Laser-LED-STM-Board-Project" at 138.938,26.289 h0.7
  text "1" at 20.828,18.288 h0.7 r90
Mechanical 14:
  lines w0.254: -11,-12.37 181.483,-12.37 181.483,144.13 -10.888,144.13 -11,144.018 -11,-12.37
Mechanical 15:
  lines w0.127: -11,-12.37 181.483,-12.37 181.483,144.13 -11,144.13 -11,-12.37 ; 167.386,67.945 180.213,67.945 180.213,88.265 167.386,88.265 167.386,67.945 ; 167.386,90.17 180.213,90.17 180.213,130.81 167.386,130.81 167.386,90.17

## Dimensions
-6,-6.87 to 174,-6.87 on Mechanical 13
-6,138.13 to -6,-6.87 on Mechanical 13
174,138.13 to 174,-6.87 on Mechanical 13
-6,138.13 to 174,138.13 on Mechanical 13
181.5,144.13 to 181.5,-12.37 on Mechanical 13
-11,144.13 to 181.5,144.13 on Mechanical 13

## Text inside footprints (layer, text, board x,y; h text height)
C3: Top Overlay "+" at 4.572,128.143 h1.5
C34: Top Overlay "+" at 5.207,37.338 h1.5
C39: Top Overlay "+" at -3.683,23.876 h1.5
C40: Top Overlay "+" at 12.446,25.908 h1.5 r270
J8: Top Overlay "1" at 40.08,2.945 h1.5 r180; Top Overlay "5" at 29.25,2.945 h1.5 r180; Top Overlay "9" at 30.635,-6.455 h1.5 r180; Top Overlay "6" at 38.945,-6.455 h1.5 r180; Mechanical 13 "6" at 38.945,-6.455 h1.5 r180; Mechanical 13 "9" at 30.635,-6.455 h1.5 r180; Mechanical 13 "5" at 29.25,2.945 h1.5 r180; Mechanical 13 "1" at 40.08,2.945 h1.5 r180
J9: Top Overlay "1" at 76.275,2.945 h1.5 r180; Top Overlay "5" at 65.445,2.945 h1.5 r180; Top Overlay "9" at 66.83,-6.455 h1.5 r180; Top Overlay "6" at 75.14,-6.455 h1.5 r180; Mechanical 13 "6" at 75.14,-6.455 h1.5 r180; Mechanical 13 "9" at 66.83,-6.455 h1.5 r180; Mechanical 13 "5" at 65.445,2.945 h1.5 r180; Mechanical 13 "1" at 76.275,2.945 h1.5 r180
P2: Mechanical 13 "4" at 2.413,110.744 h0.8; Mechanical 13 "1" at 2.413,126.111 h0.8
P3: Mechanical 13 "8" at 167.005,128.651 h0.8 r180; Mechanical 13 "1" at 167.005,93.091 h0.8 r180
P5: Mechanical 13 "1" at 166.878,69.85 h0.8; Mechanical 13 "4" at 166.751,85.09 h0.8
P7: Top Overlay "10" at 69.215,66.04 h1; Top Overlay "9" at 69.215,59.69 h1; Top Overlay "1" at 59.69,59.69 h1; Top Overlay "2" at 59.055,66.04 h1; Mechanical 13 "1" at 59.69,61.595 h0.7; Mechanical 13 "9" at 69.85,61.595 h0.7; Mechanical 13 "2" at 59.69,64.77 h0.7; Mechanical 13 "10" at 69.85,64.77 h0.7
P10: Mechanical 13 "1" at -0.127,2.286 h0.8; Mechanical 13 "4" at 14.986,2.413 h0.8
U1: Mechanical 13 "1" at 47.371,118.491 h0.6 r90
U3: Mechanical 13 "1" at 116.586,138.938 h0.5; Mechanical 15 "1" at 116.586,138.938 h0.5
U4: Mechanical 13 "1" at 116.586,132.588 h0.5; Mechanical 15 "1" at 116.586,132.588 h0.5
U6: Mechanical 13 "1" at 116.586,126.238 h0.5; Mechanical 15 "1" at 116.586,126.238 h0.5
U7: Mechanical 13 "1" at 173.101,8.763 h0.7 r270; Mechanical 15 "1" at 173.99,7.747 h0.7 r270
U8: Mechanical 13 "1" at 116.586,119.888 h0.5; Mechanical 15 "1" at 116.586,119.888 h0.5
U9: Mechanical 13 "1" at 116.586,113.538 h0.5; Mechanical 15 "1" at 116.586,113.538 h0.5
U10: Mechanical 14 "1" at 136.779,12.573 h0.7 r90; Mechanical 15 "1" at 135.89,11.557 h0.7 r90
U11: Mechanical 13 "1" at 122.174,102.362 h0.5 r180; Mechanical 15 "1" at 122.174,102.362 h0.5 r180
U12: Mechanical 13 "1" at 115.062,100.076 h0.5
U14: Mechanical 13 "1" at 123.698,92.329 h0.5 r180
U15: Mechanical 13 "1" at 123.698,86.614 h0.5 r180
U16: Mechanical 13 "1" at 123.698,80.264 h0.5 r180
U17: Mechanical 13 "1" at 115.062,76.581 h0.5
U18: Mechanical 13 "1" at 79.248,60.706 h0.5 r90; Mechanical 15 "1" at 79.248,60.706 h0.5 r90
U19: Mechanical 13 "1" at 5.588,72.644 h0.7 r180; Mechanical 15 "1" at 4.572,71.755 h0.7 r180
U20: Mechanical 13 "1" at 123.698,68.834 h0.5 r180
U21: Mechanical 13 "1" at 115.062,65.151 h0.5
U22: Mechanical 13 "1" at 146.304,60.452 h0.5 r180; Mechanical 15 "1" at 146.304,60.452 h0.5 r180
U23: Mechanical 13 "1" at 157.734,58.547 h0.5 r180; Mechanical 15 "1" at 157.734,58.547 h0.5 r180
U24: Mechanical 13 "1" at 123.698,57.404 h0.5 r180
U25: Mechanical 13 "1" at 140.716,56.388 h0.5; Mechanical 15 "1" at 140.716,56.388 h0.5
U26: Mechanical 13 "1" at 27.051,53.213 h0.5 r270
U27: Mechanical 13 "1" at 32.767,53.213 h0.5 r270
U28: Mechanical 13 "1" at 36.449,44.577 h0.5 r90
U29: Mechanical 13 "1" at 42.165,44.577 h0.5 r90
U30: Mechanical 13 "1" at 49.911,53.213 h0.5 r270
U31: Mechanical 13 "1" at 55.626,53.213 h0.5 r270
U32: Mechanical 13 "1" at 61.341,53.213 h0.5 r270
U33: Mechanical 13 "1" at 67.056,53.213 h0.5 r270
U34: Mechanical 13 "1" at 74.804,51.689 h0.5 r270; Mechanical 15 "1" at 74.804,51.689 h0.5 r270
U35: Mechanical 13 "1" at 74.804,42.545 h0.5 r270; Mechanical 15 "1" at 74.804,42.545 h0.5 r270
U36: Mechanical 13 "1" at 89.916,53.213 h0.5 r270
U37: Mechanical 13 "1" at 93.599,44.577 h0.5 r90
U38: Mechanical 13 "1" at 99.314,44.577 h0.5 r90
U39: Mechanical 13 "1" at 105.029,44.577 h0.5 r90
U40: Mechanical 13 "1" at 112.776,53.213 h0.5 r270
U41: Mechanical 13 "1" at 159.004,42.672 h0.5 r180; Mechanical 15 "1" at 159.004,42.672 h0.5 r180
U42: Mechanical 13 "1" at 144.526,44.323 h0.5 r180
U43: Mechanical 13 "1" at 144.526,36.703 h0.5 r180
U44: Mechanical 13 "1" at 159.004,34.417 h0.5 r180; Mechanical 15 "1" at 159.004,34.417 h0.5 r180
U45: Mechanical 15 "1" at 20.574,18.542 h0.5 r90
U47: Mechanical 13 "1" at 12.192,66.421 h0.5 r90; Mechanical 15 "1" at 12.192,66.421 h0.5 r90
U50: Mechanical 13 "1" at 87.376,117.729 h0.6
U51: Mechanical 13 "1" at 82.931,52.578 h0.7 r270; Mechanical 15 "1" at 83.82,51.562 h0.7 r270
U52: Mechanical 13 "1" at 82.931,43.434 h0.7 r270; Mechanical 15 "1" at 83.82,42.418 h0.7 r270
U53: Mechanical 14 "1" at 122.809,12.573 h0.7 r90; Mechanical 15 "1" at 121.92,11.557 h0.7 r90
U54: Mechanical 14 "1" at 109.982,-9.271 h0.7 r180; Mechanical 15 "1" at 110.998,-10.16 h0.7 r180